# Altium PCB SSRoof.PcbDoc
Units mm, origin at the board's own origin, x right, y up, seen from the top; angles counter-clockwise.
Board outline 100 x 115 mm, 2 copper layers (Top Layer, Bottom Layer); 93 components, 75 nets, 327 pads, 36 vias.
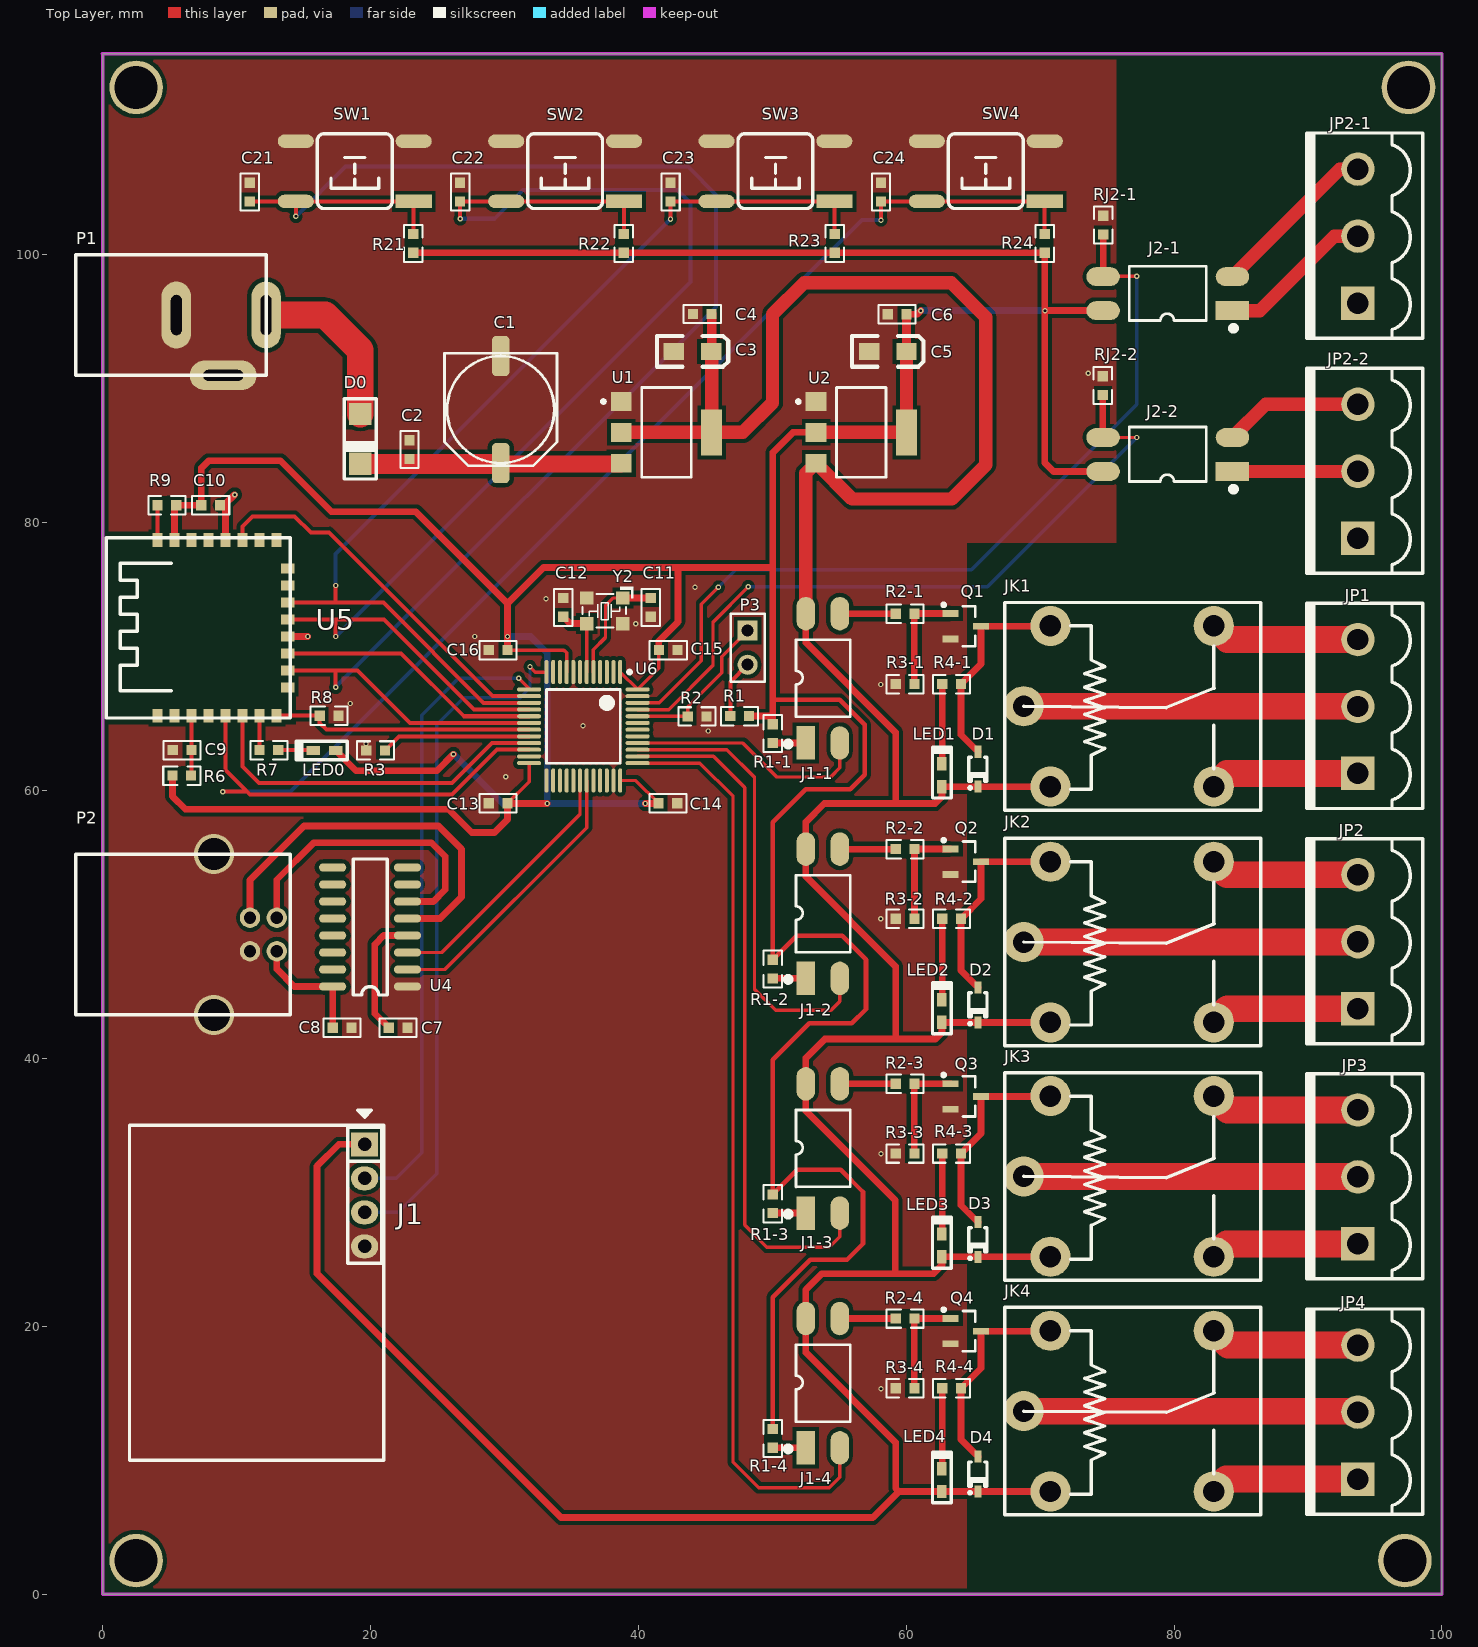
[diagram p0: Top Layer view]
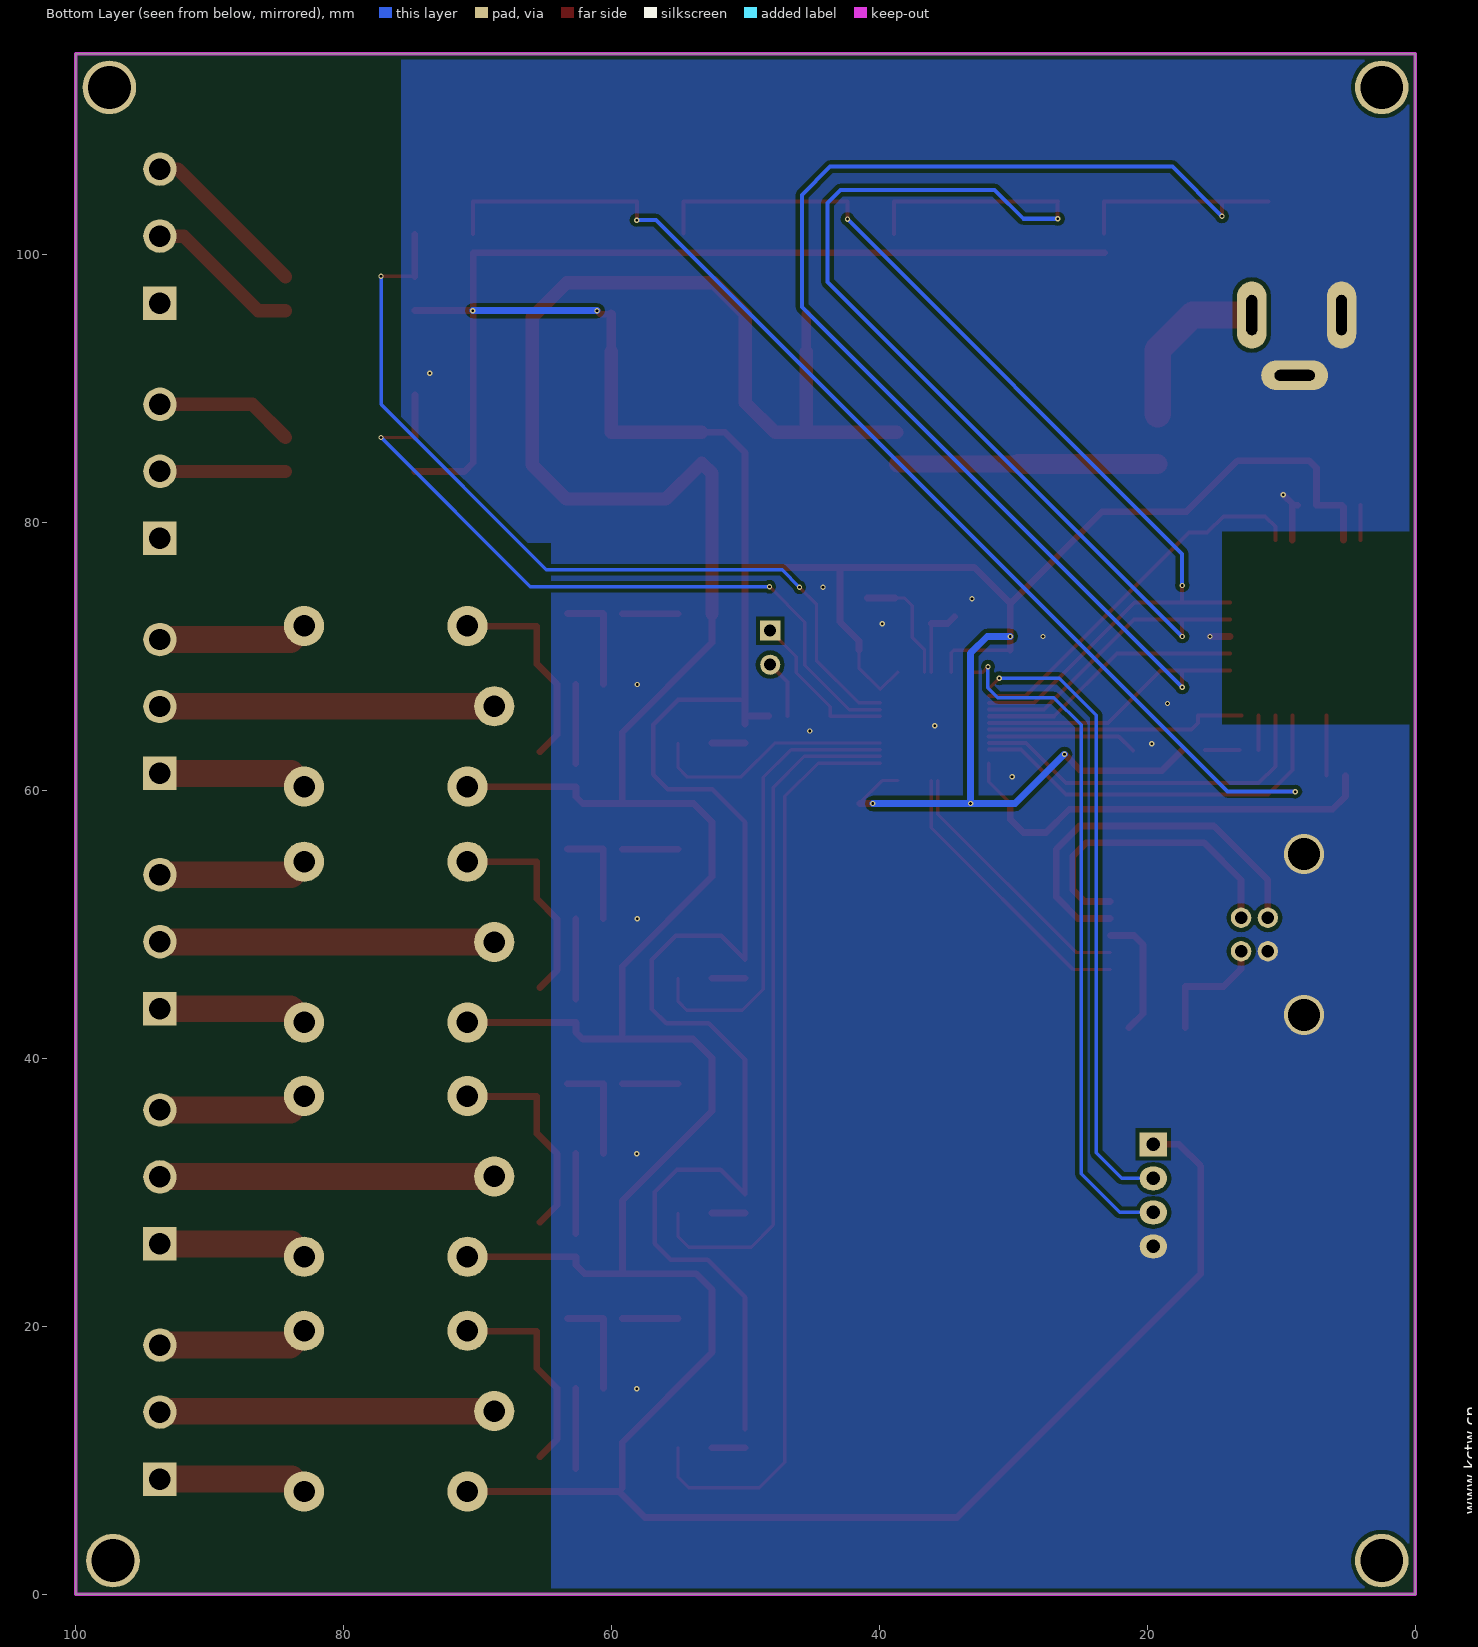
[diagram p1: Bottom Layer view, seen from below]

## Layer stack, top to bottom
Top Solder: solder mask 0.0102, Solder Resist, Dk 3.5
Top Layer: signal copper 0.0356
Dielectric1: dielectric 0.32, FR-4, Dk 4.8
Bottom Layer: signal copper 0.0356
Bottom Solder: solder mask 0.0102, Solder Resist, Dk 3.5

## Board outline
0,0 0,115 100,115 100,0

## Design rules (kind name [scope] priority, off if disabled: settings)
Clearance Clearance_pyog [InPolygon] p1: gap=0.305
Clearance Clearance_mcu [InComponentClass('U7')] p2: gap=0.178
Clearance [All] p3: gap=0.178
HoleSize [All] p1: absolutevalues=TRUE maxlimit=25.4 minlimit=0.025 maxpercent=80.000 minpercent=20.000
MinimumSolderMaskSliver [All] p1: minsoldermaskwidth=0
PolygonConnect GNDVIA [IsVia] p1: connectstyle=Direct reliefconductorwidth=0.254 reliefentries=4 polygonreliefangle="90 Angle" airgapwidth=0.254
PolygonConnect [All] p2: connectstyle=Direct reliefconductorwidth=0.254 reliefentries=4 polygonreliefangle="90 Angle" airgapwidth=0.254
RoutingVias [All] p1: holewidth=0.711 width=1.27 viastyle="Through Hole" minholewidth=0.3 minwidth=0.45 maxholewidth=0.711 maxwidth=1.27
SilkToSilkClearance [All] p1: silktosilkclearance=0
SilkToSolderMaskClearance [IsPad] p1: minsilkscreentomaskgap=0 clearancetoexposedcopper=TRUE
SolderMaskExpansion [All] p1: expansion=0.102
Width [All] p1: maxlimit=3 minlimit=0.254 preferedwidth=0.254
25 further rules are at their usual default settings.

## Components (designator, comment, footprint, x,y, rotation, side; value= is the part's Value field where it differs from the comment)
C1 "470uF" CAP8 29.718,88.443 r90 top
C2 "100nF" 0603C 22.911,86.157 r270 top
C3 "10uF" 3216 45.441,92.786 r0 top
C4 "100nF" 0603C 44.069,95.58 r0 top
C5 "10uF" 3216 60.02,92.786 r0 top
C6 "100nF" 0603C 58.623,95.555 r0 top
C7 "100nF" 0603C 22.758,42.291 r180 top
C8 "100nF" 0603C 18.567,42.291 r180 top
C9 "100nF" 0603C 6.629,63.017 r180 top
C10 "100nF" 0603C 7.366,81.305 r0 top
C11 "20pF" 0603C 40.919,74.371 r270 top
C12 "20pF" 0603C 34.392,72.974 r90 top
C13 "100nF" 0603C 28.829,59.055 r0 top
C14 "100nF" 0603C 42.901,59.055 r180 top
C15 "100nF" 0603C 42.926,70.485 r180 top
C16 "100nF" 0603C 28.829,70.485 r0 top
C21 "1nF" 0603C 10.973,103.988 r90 top
C22 "1nF" 0603C 26.687,103.988 r90 top
C23 "1nF" 0603C 42.401,103.988 r90 top
C24 "1nF" 0603C 58.115,103.988 r90 top
D0 "M7" DO-214AC 19.228,86.258 r270 top
D1 "1N4148" SOD-323 65.354,61.595 r270 top
D2 "1N4148" SOD-323 65.354,43.993 r270 top
D3 "1N4148" SOD-323 65.354,26.467 r270 top
D4 "1N4148" SOD-323 65.354,8.966 r270 top
J1 "YS-RF34T" PIN-4-2.54-1.0 19.558,29.769 r270 top
J1-1 "TLP521-1" SOP4-W2.54_M 53.772,68.377 r90 top
J1-2 "TLP521-1" SOP4-W2.54_M 53.772,50.8 r90 top
J1-3 "TLP521-1" SOP4-W2.54_M 53.772,33.274 r90 top
J1-4 "TLP521-1" SOP4-W2.54_M 53.772,15.748 r90 top
J2-1 "TLP521-1" SOP4-W2.54_M 79.527,97.104 r180 top
J2-2 "TLP521-1" SOP4-W2.54_M 79.527,85.09 r180 top
JK1 "SRD-05VDC-SL-C" SRD-C_B 70.764,72.288 r0 top
JK2 "SRD-05VDC-SL-C" SRD-C_B 70.764,54.686 r0 top
JK3 "SRD-05VDC-SL-C" SRD-C_B 70.764,37.186 r0 top
JK4 "SRD-05VDC-SL-C" SRD-C_B 70.764,19.66 r0 top
JP1 "HDR-1X3" KF2EDGK5.0-LI-3P 93.726,66.274 r90 top
JP2 "HDR-1X3" KF2EDGK5.0-LI-3P 93.726,48.712 r90 top
JP2-1 "HDR-1X3" KF2EDGK5.0-LI-3P 93.726,101.397 r90 top
JP2-2 "HDR-1X3" KF2EDGK5.0-LI-3P 93.726,83.835 r90 top (schematic designator JP2-24)
JP3 "HDR-1X3" KF2EDGK5.0-LI-3P 93.726,31.151 r90 top
JP4 "HDR-1X3" KF2EDGK5.0-LI-3P 93.726,13.589 r90 top
LED0 "LED" LED-0603 16.561,62.992 r180 top
LED1 "LED" LED-0603 62.662,61.138 r90 top
LED2 "LED" LED-0603 62.662,43.536 r90 top
LED3 "LED" LED-0603 62.662,26.035 r90 top
LED4 "LED" LED-0603 62.662,8.509 r90 top
P1 "SOURCE" DC_5.5MM -2,100 r0 top
P2 "USB-B" USB-B 13,48 r0 top
P3 "BOOT0" HDR1X2 48.158,71.933 r270 top
Q1 "SS8050" SOT23-3N 64.44,72.263 r270 top
Q2 "SS8050" SOT23-3N 64.44,54.686 r270 top
Q3 "SS8050" SOT23-3N 64.44,37.16 r270 top
Q4 "SS8050" SOT23-3N 64.44,19.634 r270 top
R1 "4.7K" 0603R 46.863,65.557 r0 top
R1-1 "2K" 0603R 50.038,63.551 r90 top
R1-2 "2K" 0603R 50.038,45.974 r90 top
R1-3 "2K" 0603R 50.038,28.448 r90 top
R1-4 "2K" 0603R 50.038,10.922 r90 top
R2 "10K" 0603R 43.688,65.532 r0 top
R2-1 "1K" 0603R 60.604,73.203 r180 top
R2-2 "1K" 0603R 60.604,55.626 r180 top
R2-3 "1K" 0603R 60.604,38.1 r180 top
R2-4 "1K" 0603R 60.604,20.574 r180 top
R3 "10K" 0603R 19.685,62.992 r0 top
R3-1 "4.7K" 0603R 59.207,67.945 r0 top
R3-2 "4.7K" 0603R 59.207,50.419 r0 top
R3-3 "4.7K" 0603R 59.207,32.893 r0 top
R3-4 "4.7K" 0603R 59.207,15.367 r0 top
R4-1 "5K" 0603R 62.687,67.945 r0 top
R4-2 "5K" 0603R 62.687,50.419 r0 top
R4-3 "5K" 0603R 62.687,32.893 r0 top
R4-4 "5K" 0603R 62.687,15.367 r0 top
R6 "10K" 0603R 6.604,61.112 r180 top
R7 "1K" 0603R 11.709,63.017 r0 top
R8 "4.7K" 0603R 17.602,65.583 r180 top
R9 "10K" 0603R 4.089,81.305 r0 top
R21 "10K" 0603R 23.19,101.549 r270 top
R22 "10K" 0603R 38.913,101.549 r270 top
R23 "10K" 0603R 54.661,101.549 r270 top
R24 "10K" 0603R 70.333,101.549 r270 top
RJ2-1 "1K" 0603R 74.701,102.921 r270 top
RJ2-2 "1K" 0603R 74.676,90.932 r270 top
SW1 "6x6x5" "TSW SMD-6*6*6" 18.821,106.248 r180 top
SW2 "6x6x5" "TSW SMD-6*6*6" 34.527,106.248 r180 top
SW3 "6x6x5" "TSW SMD-6*6*6" 50.233,106.248 r180 top
SW4 "6x6x5" "TSW SMD-6*6*6" 65.938,106.248 r180 top
U1 "AMS1117-5.0" SOT223 42.088,86.741 r270 top
U2 "AMS1117-3.3" SOT223 56.642,86.741 r270 top
U4 "CH340C" SO-16 22.758,45.364 r180 top
U5 "PSF-B04" PSF-B04 14,78.873 r180 top
U6 "STM32F103C8T6" LQFP48_N 35.89,64.795 r180 top
Y2 "8MHz  无源" X3225 38.811,74.397 r180 top

## Footprints (in the part's own frame and the unit in brackets; to place one, negate y for a bottom-side part, rotate by r counter-clockwise, add the part's x,y. Pads: shape width x height; smd on the part's side, far side on the other; paste and mask are expansions set on the pad)
0603C [mil]
  rect 30x30 smd: 1(0,0) 2(55,0)
  silkscreen extent -27,-27 82,27, body extent -4,-16 59,16, height 12
0603R [mil]
  rect 30x30 smd: 1(0,0) 2(55,0)
  silkscreen extent -27,-27 82,27, body extent -4,-18 58,16, height 18
3216 [mil]
  rect 60x50 smd: 1(0,0) 2(-110,0)
  silkscreen extent -160,-45 50,45, body extent -151,-35 38,36, height 73
CAP8 [mm] "直径8mm（蒜米工坊）"
  rrect50% 3x1.3 smd: 1(-4,0) 2(4,0)
  silkscreen extent -4.2,-4.2 4.2,4.2, body extent -4.52,-4.22 4.48,4.08, height 10.5
DC_5.5MM [mm]
  oval 2.2x5 hole 0.8 slot 3 at 90 deg: 1(14.2,-4.5) 2(7.5,-4.5)
  oval 5x2.2 hole 0.8 slot 3 at 0 deg: 3(11,-9)
  silkscreen extent 0,-9 14.2,0, body extent -0.1,-8.88 14.1,-0.12, height 10.82
DO-214AC [mm]
  rect 1.655x1.67 smd: 1(1.865,0) 2(-1.865,0)
  silkscreen extent -3,-1.2 3,1.2, body extent -2.74,-1.4 2.74,1.4, height 2.3
HDR1X2 [mm] "Connector; Header; 2 Position"
  rect 1.5x1.5 hole 0.9: 1(0,0)
  round 1.5 hole 0.9: 2(2.54,0)
  silkscreen extent -1.27,-1.27 3.81,1.27, body extent -1.27,-1.27 3.81,1.27, height 7.58
KF2EDGK5.0-LI-3P [mm] "立插端子"
  rect 2.5x2.5 hole 1.6: 1(-5,0)
  round 2.5 hole 1.6: 2(0,0) 3(5,0)
  silkscreen extent -7.62,-4.83 7.7,3.81, body extent -7.54,-4.75 7.54,3.75, height 11.25
LED-0603 [mm] "LED, SMD, 0603"
  rect 1x0.7 smd: 1(-0.85,0) 2(0.85,0)
  silkscreen extent -1.7,-0.7 2.1,0.7, body extent -1.03,-0.46 1.03,0.45, height 0.85
LQFP48_N [mm]
  oval 0.3x1.8 smd: 1(-2.75,-4.05) 2(-2.25,-4.05) 3(-1.75,-4.05) 4(-1.25,-4.05) 5(-0.75,-4.05) 6(-0.25,-4.05) 7(0.25,-4.05) 8(0.75,-4.05) 9(1.25,-4.05) 10(1.75,-4.05) 11(2.25,-4.05) 12(2.75,-4.05) 25(2.75,4.05) 26(2.25,4.05) 27(1.75,4.05) 28(1.25,4.05) 29(0.75,4.05) 30(0.25,4.05) 31(-0.25,4.05) 32(-0.75,4.05) 33(-1.25,4.05) 34(-1.75,4.05) 35(-2.25,4.05) 36(-2.75,4.05)
  oval 1.8x0.3 smd: 13(4.05,-2.75) 14(4.05,-2.25) 15(4.05,-1.75) 16(4.05,-1.25) 17(4.05,-0.75) 18(4.05,-0.25) 19(4.05,0.25) 20(4.05,0.75) 21(4.05,1.25) 22(4.05,1.75) 23(4.05,2.25) 24(4.05,2.75) 37(-4.05,2.75) 38(-4.05,2.25) 39(-4.05,1.75) 40(-4.05,1.25) 41(-4.05,0.75) 42(-4.05,0.25) 43(-4.05,-0.25) 44(-4.05,-0.75) 45(-4.05,-1.25) 46(-4.05,-1.75) 47(-4.05,-2.25) 48(-4.05,-2.75)
  silkscreen extent -3.58,-4.17 2.75,2.75, body extent -4.5,-4.5 4.5,4.5, height 1.5
PIN-4-2.54-1.0 [mil] "Pin Header"
  rect 70x80 hole 39.37: 1(-150,0)
  oval 70x80 hole 39.37: 2(-50,0) 3(50,0) 4(150,0)
  silkscreen extent -250,-50 200,50, body extent -200,-50 200,50, height 398
PSF-B04 [mm] "物联网开关芯片"
  rect 0.76x1.02 smd: 1(9.91,13.29) 2(8.64,13.29) 3(7.37,13.29) 4(6.1,13.29) 5(4.83,13.29) 6(3.56,13.29) 7(2.29,13.29) 8(1.02,13.29) 17(1.02,0.17) 18(2.29,0.17) 19(3.56,0.17) 20(4.83,0.17) 21(6.1,0.17) 22(7.37,0.17) 23(8.64,0.17) 24(9.91,0.17)
  rect 1.02x0.76 smd: 9(0.17,11.18) 10(0.17,9.91) 11(0.17,8.64) 12(0.17,7.37) 13(0.17,6.1) 14(0.17,4.83) 15(0.17,3.56) 16(0.17,2.29)
  silkscreen extent 0,0 13.72,13.46
SO-16 [mil]
  oval 80x24 smd: 1(0,0) 2(0,-50) 3(0,-100) 4(0,-150) 5(0,-200) 6(0,-250) 7(0,-300) 8(0,-350) 9(220,-350) 10(220,-300) 11(220,-250) 12(220,-200) 13(220,-150) 14(220,-100) 15(220,-50) 16(220,0)
  silkscreen extent 60,-375 160,25, body extent -12,-377 226,29, height 77
SOD-323 [mm] "SOD-323"
  rect 0.9x0.5 smd: 1(-1.3,0) 2(1.3,0)
  silkscreen extent -0.9,-0.67 1.49,0.67, body extent -1.35,-0.62 1.35,0.63, height 1.1
SOP4-W2.54_M [mm] "6.5*4.58*3.5mm（长宽高）"
  rect 2.5x1.4 smd: 1(-4.826,1.27)
  oval 2.5x1.4 smd: 2(-4.826,-1.27) 3(4.826,-1.27) 4(4.826,1.27)
  silkscreen extent -5.06,-2.05 2.87,2.74, body extent -5,-2.29 5,2.29, height 3.83
SOT23-3N [mm] "3x1.3x1mm(长宽高)"
  rect 0.5x1.2 smd: 1(-0.95,-1.143) 2(0.95,-1.143) 3(0,1.143)
  silkscreen extent -1.72,-1.78 1.5,0.7, body extent -1.5,-1.2 1.5,1.2, height 1.05
SOT223 [mm] "SOT-223/SC-73; 4 Leads; Body 6.7 x 7.3 mm, inc. leads (LxW max)"
  rect 1.4x1.55 smd: 1(-2.3,-3.375) 2(0,-3.375) 3(2.3,-3.375)
  rect 3.45x1.55 smd: 4(0,3.375)
  silkscreen extent -3.35,-4.82 3.35,1.85, body extent -3.25,-3.53 3.25,3.43, height 1.7
SRD-C_B [mm] "单刀双投"
  round 3 hole 1.6: 1(0,0) 2(0,-12) 3(-2,-6) 4(12.2,0) 5(12.2,-12)
  silkscreen extent -3.4,-13.75 15.7,1.75, body extent -3.4,-13.75 15.7,1.75, height 15.6
"TSW SMD-6*6*6" [mm] "6*6*6mm"
  rect 2.7x1 smd: 1(-4.4,2.261)
  oval 2.7x1 smd: 2(-4.4,-2.239) 3(4.4,-2.239) 4(4.4,2.261)
  silkscreen extent -2.79,-2.79 2.79,2.79, body extent -4.5,-3 4.5,3, height 5.95
USB-B [mm]
  round 1.524 hole 0.92: 1(0,0) 2(0,2.5) 3(-2,2.5) 4(-2,0)
  round 3 hole 2.4: 5(-4.7,7.25) 6(-4.7,-4.75)
  silkscreen extent -15,-4.75 1,7.25
X3225 [mm]
  rect 1x1 smd: 1(-0.025,0.025) 2(2.667,0.025) 3(2.667,1.93) 4(-0.025,1.93)
  silkscreen extent -0.81,-0.84 3,2.21, body extent -0.23,-0.29 2.97,2.21, height 0.72

## Part data
C1: library part C470UF016S, "470UF      16V      CD10X10D5"
C2 C4 C6 C8 C9 C10 C11 C12 C13 C14 C15 C16 C21 C22 C23 C24: library part Cap, "Capacitor"
C3 C5: library part CAP2
C7: library part C
D0: library part Diode, "High Conductance Fast Diode"
D1 D2 D3 D4: "高速开关二极管"
J1: library part HDR1x4, "Connector"
J1-1 J1-2 J1-3 J1-4 J2-1 J2-2: "1路开关光耦"
JK1 JK2 JK3 JK4: "5V一组转换"
JP1 JP2 JP2-1 JP2-2 JP3 JP4: library part "Header 3", "3P接插件"
P3: library part MHDR1X2, "Header, 2-Pin"
Q1 Q2 Q3 Q4: library part 8050-SMD, "高频放大-NPN型"
R1 R3 R3-1 R3-2 R3-3 R3-4 R8: library part R
R1-1 R1-2 R1-3 R1-4 R2 R2-1 R2-2 R2-3 R2-4 R4-1 R4-2 R4-3 R4-4 R6 R7 R9 R21 R22 R23 R24 RJ2-1 RJ2-2: library part RES, "Resistor"
SW1 SW2 SW3 SW4: library part "TSW SMD-6x6", "贴片6x6轻触开关"
U1 U2: library part AMS1117
U4: library part CH340G, "USB2UART"
U6: "STM32 ARM-based 32-bit MCU Performance Line with 64 kB Flash, 20 kB Internal RAM, -40 to +85癈 Temperature, 48-Pin LQFP, Tray"
Y2: library part XTAL_1, "Crystal Oscillator"

## Free pads (board coordinates)
  round 4 hole 3.2: 0(2.5,2.5) 1(97.231,2.5) 2(97.5,112.5) 3(2.5,112.5)

## Via types
v1: diameter 0.4, hole 0.2, Top Layer to Bottom Layer, 36 vias

## Nets (pads, with @x,y where several pads share a name; then routed paths per layer and width w, separated by ;. In a path a pad name is that pad's centre, name@x,y a point inside that pad or via, vN(x,y) a via of type N, cw(c..) or ccw(c..) an arc to the next point about the centre after c; other vN are vias at no path point)
BOOT0: P3.1 R2.1 U6.44 | length 12
  Top Layer w0.254: U6.44 R2.1@43.675,65.545 ; R2.1 43.688,66.243 46.228,68.783 46.228,70.002 P3.1
BOOT1: R3.2 U6.20 | length 11.2
  Top Layer w0.305: R3.2 22.135,64.045 U6.20
D3V3: C5.1 C6.2 C10.1 C13.2 C14.2 C15.2 C16.2 J2-1.4 J2-2.4 LED0.1 R1-1.2 R1-2.2 R1-3.2 R1-4.2 R1.2 R6.2 R9.2 R21.2 R22.2 R23.2 R24.2 U2.2 U2.4 U5.23 U6.1 U6.9 U6.24 U6.36 U6.48 | length 372.9
  Top Layer w0.254: C13.2 31.84,60.669 U6.24 ; C16.2 34.442,70.485 34.64,70.287 U6.9 ; U6.36 39.813,60.745 C14.2 ; U6.1 U6.48 41.529,69.134 C15.2
  Top Layer w0.35: R1-4.2 50.038,22.174 52.832,24.968 55.575,24.968 56.769,26.162 56.769,30.023 55.118,31.674 51.867,31.674 R1-3.2 50.038,39.903 52.756,42.621 55.931,42.621 56.998,43.688 56.998,47.371 55.22,49.149 51.816,49.149 R1-2.2 50.038,57.633 52.502,60.096 55.804,60.096 56.896,61.189 56.896,64.922 55.042,66.777 50.038,66.777
  Top Layer w0.5: R6.2 5.207,59.563 6.172,58.598 25.832,58.598 27.559,56.871 29.261,56.871 30.226,57.836 C13.2 ; C10.1 7.366,84.074 7.925,84.633 13.259,84.633 17.069,80.823 23.368,80.823 30.226,73.965 ; LED0.1 18.935,61.468 24.943,61.468 v1(26.187,62.713) ; R21.2 R22.2 R23.2 R24.2 70.333,84.48 70.993,83.82 J2-2.4 ; C16.2 v1(30.226,71.501) 30.226,73.965 ; C13.2@30.251,59.03 v1(33.198,59.03) ; v1(40.513,59.03) C14.2@41.478,59.03 ; C15.2 41.529,71.171 42.951,72.593 42.951,76.657 ; R1.2 50.013,65.557 ; R1-1.2 50.038,76.657 ; U2.2 51.537,86.741 50.038,85.242 50.038,76.657 ; C6.2 60.808,95.555 v1(61.087,95.834) ; v1(70.358,95.834) J2-1.4 ; 30.226,73.965 32.918,76.657 50.038,76.657
  Top Layer w0.508: U5.23 5.36,81.179 R9.2 C10.1
  Top Layer w0.7: C5.1 C6.2
  Top Layer w1: U2.2 U2.4 C5.1@60.017,92.783
  Bottom Layer w0.5: v1(26.187,62.713) 29.87,59.03 v1(33.198,59.03) ; v1(30.226,71.501) 31.953,71.501 33.198,70.256 v1(33.198,59.03) ; v1(40.513,59.03) v1(33.198,59.03) ; v1(61.087,95.834) v1(70.358,95.834)
D5V0: C3.1 C4.2 D1.2 D2.2 D3.2 D4.2 J1-1.4 J1-2.4 J1-3.4 J1-4.4 J1.1 JK1.2 JK2.2 JK3.2 JK4.2 LED1.1 LED2.1 LED3.1 LED4.1 U1.2 U1.4 U2.3 | length 290.4
  Top Layer w0.5: J1.1 17.628,33.579 16.002,31.953 16.002,23.927 34.214,5.715 57.504,5.715 59.448,7.659 ; J1-1.4 52.502,71.044 59.207,64.338 59.207,59.03 ; JK4.2@70.764,7.659 LED4.1 59.448,7.659 ; JK3.2@70.764,25.185 LED3.1 62.662,24.562 62.027,23.927 59.182,23.927 ; JK2.2@70.764,42.686 LED2.1 62.662,41.935 62.179,41.453 59.207,41.453 ; JK1.2@70.764,60.288 LED1.1 62.662,59.538 62.154,59.03 59.207,59.03 ; 59.182,23.927 53.696,23.927 52.502,22.733 J1-4.4 52.502,18.034 59.207,11.328 59.207,7.899 59.448,7.659 ; 59.182,23.927 59.182,29.388 52.502,36.068 J1-3.4 52.502,40.03 53.924,41.453 59.207,41.453 ; 59.207,41.453 59.207,46.863 52.502,53.569 J1-2.4 52.502,57.658 53.873,59.03 59.207,59.03
  Top Layer w0.7: C3.1@45.466,92.812 C4.2
  Top Layer w1: U1.2 U1.4 ; C3.1@45.463,92.764 U1.4 ; J1-1.4 52.502,83.676 U2.3 55.945,81.763 63.398,81.763 65.938,84.303 65.938,95.326 63.348,97.917 52.375,97.917 50.013,95.555 50.013,88.951 47.803,86.741 U1.4
D12V0: C1.1 C2.2 D0.1 U1.3 | length 19.4
  Top Layer w1.27: C1.1@29.669,84.393 U1.3@38.665,84.393
  Top Layer w1.5: D0.1 C1.1@29.669,84.393
EGND: J2-1.2 JP2-1.3 | length 12.7
  Top Layer w1: J2-1.2 92.376,106.397 JP2-1.3
EGND2: J2-2.2 JP2-2.3 | length 10.4
  Top Layer w1: J2-2.2 86.829,88.835 JP2-2.3
ESIGN: J2-1.1 JP2-1.2 | length 11.7
  Top Layer w1: J2-1.1 86.385,95.834 91.948,101.397 JP2-1.2
ESIGN2: J2-2.1 JP2-2.2 | length 9.4
  Top Layer w1: J2-2.1 JP2-2.2@93.711,83.82
EVCC: JP2-1.1
EVCC2: JP2-2.1
GND: C1.2 C2.1 C3.2 C4.1 C5.2 C6.1 C7.1 C8.1 C9.2 C10.2 C11.2 C12.2 C13.1 C14.1 C15.1 C16.1 C21.2 C22.2 C23.2 C24.2 J1.4 P1.2 P1.3 P2.4 P2.5 P2.6 Q1.2 Q2.2 Q3.2 Q4.2 R2.2 R3-1.1 R3-2.1 R3-3.1 R3-4.1 R3.1 R8.1 RJ2-1.1 RJ2-2.1 SW1.2 SW1.3 SW2.2 SW2.3 SW3.2 SW3.3 SW4.2 SW4.3 U1.1 U2.1 U4.1 U5.12 U5.20 U6.8 U6.23 U6.35 U6.47 Y2.2 Y2.4 | length 6.5
  Top Layer w0.5: C10.2 9.068,81.305 v1(9.855,82.093) ; U5.20 9.17,81.408 v1@9.83,82.067 ; U5.12 v1(15.319,71.503)
  other v1: 58.115,15.342 58.115,32.868 58.09,50.419 30.099,61.036 19.66,63.5 45.212,64.44 35.865,64.846 18.491,66.497 58.09,67.92 27.788,71.501 39.802,72.441 33.096,74.32 44.221,75.184 73.584,91.161
LIMIT1: J2-1.3 RJ2-1.2 U6.46 | length 64.2
  Top Layer w0.254: U6.46 41.552,66.545 44.704,69.698 44.704,73.914 v1(45.974,75.184) ; J2-1.3@74.727,98.4 v1(77.216,98.4)
  Top Layer w0.5: J2-1.3 RJ2-1.2
  Bottom Layer w0.254: v1(45.974,75.184) 47.269,76.479 64.872,76.479 77.216,88.824 v1(77.216,98.4)
LIMIT2: J2-2.3 RJ2-2.2 U6.45 | length 53.2
  Top Layer w0.254: U6.45 42.271,66.045 45.568,69.342 45.568,72.568 v1(48.209,75.209) ; J2-2.3 v1(77.216,86.36)
  Top Layer w0.5: J2-2.3@74.676,86.385 RJ2-2.2
  Bottom Layer w0.254: v1(48.209,75.209) 66.065,75.209 v1(77.216,86.36)
NetC7_2: C7.2 U4.4 | length 9.4
  Top Layer w0.508: C7.2 20.32,43.332 20.32,48.514 20.98,49.174 U4.4
NetC9_1: C9.1 R6.1 U5.3 | length 4.4
  Top Layer w0.3: R6.1@6.63,61.138 U5.3
NetD0_1: D0.2 P1.1 | length 12.9
  Top Layer w2: P1.1 16.616,95.5 19.228,92.888 D0.2
NetD1_1: D1.1 JK1.1 Q1.3 R4-1.2 | length 15.7
  Top Layer w0.5: D1.1 64.084,64.165 R4-1.2 65.583,69.444 Q1.3 JK1.1@70.739,72.263
NetD2_1: D2.1 JK2.1 Q2.3 R4-2.2 | length 15.7
  Top Layer w0.5: D2.1 64.084,46.563 R4-2.2 65.583,51.918 Q2.3 JK2.1
NetD3_1: D3.1 JK3.1 Q3.3 R4-3.2 | length 15.7
  Top Layer w0.5: D3.1 64.084,29.037 R4-3.2 65.583,34.392 Q3.3 JK3.1@70.739,37.16
NetD4_1: D4.1 JK4.1 Q4.3 R4-4.2 | length 15.7
  Top Layer w0.5: D4.1 64.084,11.536 R4-4.2 65.583,16.866 Q4.3 JK4.1@70.739,19.634
NetJ1-1_1: J1-1.1 R1-1.1 | length 2.5
  Top Layer w0.5: R1-1.1 J1-1.1
NetJ1-1_3: J1-1.3 R2-1.2 | length 4.2
  Top Layer w0.5: J1-1.3 R2-1.2
NetJ1-2_1: J1-2.1 R1-2.1 | length 2.5
  Top Layer w0.5: R1-2.1 J1-2.1
NetJ1-2_3: J1-2.3 R2-2.2 | length 4.2
  Top Layer w0.5: J1-2.3 R2-2.2
NetJ1-3_1: J1-3.1 R1-3.1 | length 2.5
  Top Layer w0.5: R1-3.1 J1-3.1
NetJ1-3_3: J1-3.3 R2-3.2 | length 4.2
  Top Layer w0.5: J1-3.3 R2-3.2
NetJ1-4_1: J1-4.1 R1-4.1 | length 2.5
  Top Layer w0.5: R1-4.1 J1-4.1
NetJ1-4_3: J1-4.3 R2-4.2 | length 4.2
  Top Layer w0.5: J1-4.3 R2-4.2
NetJK1_3: JK1.3 JP1.2 | length 24.9
  Top Layer w2: JK1.3 JP1.2@93.711,66.288
NetJK1_4: JK1.4 JP1.3 | length 11.2
  Top Layer w2: JK1.4 83.979,71.274 JP1.3
NetJK1_5: JK1.5 JP1.1 | length 11.2
  Top Layer w2: JK1.5 83.95,61.274 JP1.1
NetJK2_3: JK2.3 JP2.2 | length 24.9
  Top Layer w2: JK2.3 JP2.2@93.7,48.686
NetJK2_4: JK2.4 JP2.3 | length 11.2
  Top Layer w2: JK2.4 83.938,53.712 JP2.3
NetJK2_5: JK2.5 JP2.1 | length 11.2
  Top Layer w2: JK2.5 83.99,43.712 JP2.1
NetJK3_3: JK3.3 JP3.2 | length 24.9
  Top Layer w2: JK3.3 JP3.2@93.691,31.186
NetJK3_4: JK3.4 JP3.3 | length 11.2
  Top Layer w2: JK3.4 83.999,36.151 JP3.3
NetJK3_5: JK3.5 JP3.1 | length 11.2
  Top Layer w2: JK3.5 83.929,26.151 JP3.1
NetJK4_3: JK4.3 JP4.2 | length 24.9
  Top Layer w2: JK4.3 JP4.2@93.655,13.66
NetJK4_4: JK4.4 JP4.3 | length 11.2
  Top Layer w2: JK4.4 84.035,18.589 JP4.3
NetJK4_5: JK4.5 JP4.1 | length 11.1
  Top Layer w2: JK4.5 83.894,8.589 JP4.1
NetLED0_2: LED0.2 R7.2 | length 2.6
  Top Layer w0.3: R7.2 LED0.2@15.685,63.017
NetLED1_2: LED1.2 R4-1.1 | length 5.9
  Top Layer w0.5: LED1.2@62.687,62.013 R4-1.1
NetLED2_2: LED2.2 R4-2.1 | length 6
  Top Layer w0.5: LED2.2@62.687,44.411 R4-2.1
NetLED3_2: LED3.2 R4-3.1 | length 6
  Top Layer w0.5: LED3.2@62.687,26.91 R4-3.1
NetLED4_2: LED4.2 R4-4.1 | length 6
  Top Layer w0.5: LED4.2@62.687,9.384 R4-4.1
NetP2_2: P2.2 U4.6 | length 22.6
  Top Layer w0.5: P2.2 13,53.335 15.773,56.109 24.536,56.109 25.578,55.067 25.578,52.603 24.689,51.714 U4.6
NetP2_3: P2.3 U4.5 | length 29.3
  Top Layer w0.5: P2.3 11,53.316 15.037,57.353 25.07,57.353 26.797,55.626 26.797,52.045 25.197,50.444 U4.5
NetP3_2: P3.2 R1.1 | length 4.4
  Top Layer w0.3: R1.1 46.863,68.097 P3.2
NetQ1_1: Q1.1 R2-1.1 R3-1.2 | length 7.9
  Top Layer w0.5: R3-1.2 R2-1.1 ; R2-1.1@60.615,73.213 Q1.1
NetQ2_1: Q2.1 R2-2.1 R3-2.2 | length 7.9
  Top Layer w0.5: R3-2.2@60.615,50.429 60.615,55.636 Q2.1
NetQ3_1: Q3.1 R2-3.1 R3-3.2 | length 7.9
  Top Layer w0.5: R3-3.2 R2-3.1 ; R2-3.1@60.615,38.11 Q3.1
NetQ4_1: Q4.1 R2-4.1 R3-4.2 | length 7.9
  Top Layer w0.5: R3-4.2 R2-4.1 ; R2-4.1@60.615,20.584 Q4.1
NetR7_1: R7.1 U5.7 | length 2.6
  Top Layer w0.3: R7.1 U5.7
NetR9_1: R9.1 U5.24 | length 2.6
  Top Layer w0.3: U5.24 R9.1
O1: U5.6 U6.21 | length 26.9
  Top Layer w0.3: U5.6 10.44,61.798 11.684,60.554 26.086,60.554 29.078,63.545 U6.21
O2: U5.19 U6.14 | length 28.3
  Top Layer w0.3: U5.19 10.44,79.706 11.201,80.467 14.326,80.467 15.545,79.248 16.891,79.248 29.094,67.045 U6.14
O3: U5.11 U6.17 | length 20
  Top Layer w0.3: U5.11 22.273,70.233 26.961,65.545 U6.17
O4: R8.2 U5.8 U6.19 | length 19.6
  Top Layer w0.3: U5.8 R8.2 16.205,65.049 16.709,64.545 U6.19
OSC_IN: C11.1 U6.5 Y2.1 | length 8.9
  Top Layer w0.254: U6.5 36.64,70.524 37.541,71.425 37.541,73.812 38.1,74.371 Y2.1
  Top Layer w0.5: Y2.1 C11.1
OSC_OUT: C12.1 U6.6 Y2.3 | length 5.6
  Top Layer w0.254: U6.6 Y2.3@36.14,72.462
  Top Layer w0.5: C12.1 34.9,72.466 Y2.3
RELAY1: J1-1.2 U6.40 | length 18.3
  Top Layer w0.254: U6.40 47.808,63.545 50.343,61.011 54.356,61.011 55.042,61.697 J1-1.2
RELAY2: J1-2.2 U6.39 | length 34.4
  Top Layer w0.254: U6.39 46.606,63.045 48.666,60.985 48.666,45.161 50.241,43.586 54.381,43.586 55.042,44.247 J1-2.2
RELAY3: J1-3.2 U6.38 | length 51.5
  Top Layer w0.254: U6.38 45.608,62.545 47.93,60.223 47.93,27.559 49.581,25.908 54.254,25.908 55.042,26.695 J1-3.2
RELAY4: J1-4.2 U6.37 | length 69.1
  Top Layer w0.254: U6.37 44.584,62.045 47.066,59.563 47.066,9.855 48.971,7.95 54.254,7.95 55.042,8.738 J1-4.2
RESET: U6.7
RXD: U4.3 U6.30 | length 19.7
  Top Layer w0.254: U4.3 25.324,47.904 35.64,58.221 U6.30
RXD2: J1.3 U6.12 | length 51.2
  Top Layer w0.254: v1(31.902,69.24) 32.297,68.845 U6.12
  Bottom Layer w0.254: J1.3 22.073,28.499 24.943,31.369 24.943,64.897 26.975,66.929 31.166,66.929 31.902,67.666 v1(31.902,69.24)
S1: C21.1 R21.1 SW1.1 SW1.4 U5.10 U6.18 | length 118.9
  Top Layer w0.3: C21.1 SW1.4 SW1.1 R21.1@23.221,101.58 ; U5.10 17.399,68.963 ; v1(14.427,102.87) SW1.4@14.427,103.982 ; v1(17.399,67.716) 17.399,68.963 ; U6.18 22.94,65.045 19.022,68.963 17.399,68.963
  Bottom Layer w0.3: v1(14.427,102.87) 18.136,106.578 43.688,106.578 45.796,104.47 45.796,96.114 v1(17.399,67.716)
S2: C22.1 R22.1 SW2.1 SW2.4 U5.13 U6.16 | length 99.9
  Top Layer w0.3: U5.13 17.399,72.773 ; v1(17.399,71.501) 17.399,72.773 ; C22.1 SW2.1 38.913,103.973 R22.1 ; v1(26.695,102.692) C22.1@26.695,103.979 ; U6.16 27.731,66.045 21.003,72.773 17.399,72.773
  Bottom Layer w0.3: v1(17.399,71.501) 17.424,71.501 43.891,97.968 43.891,103.861 42.926,104.826 31.394,104.826 29.261,102.692 v1(26.695,102.692)
S3: C23.1 R23.1 SW3.1 SW3.4 U5.14 U6.15 | length 76
  Top Layer w0.3: U5.14 17.399,74.043 ; v1(17.399,75.311) 17.399,74.043 ; U6.15 28.451,66.545 20.953,74.043 17.399,74.043 ; v1(42.393,102.667) C23.1@42.393,103.979 ; C23.1 SW3.1 R23.1@54.633,101.577
  Bottom Layer w0.3: v1(17.399,75.311) 17.399,77.673 v1(42.393,102.667)
S4: C24.1 R24.1 SW4.1 SW4.4 U5.5 U6.22 | length 113.6
  Top Layer w0.3: v1(8.966,59.919) 10.77,59.919 ; U5.5 9.17,61.518 10.77,59.919 ; U6.22 29.441,63.045 26.086,59.69 10.998,59.69 10.77,59.919 ; v1(58.115,102.591) C24.1 SW4.1 70.333,103.982 R24.1
  Bottom Layer w0.3: v1(8.966,59.919) 14.021,59.919 56.693,102.591 v1(58.115,102.591)
TXD: U4.2 U6.31 | length 21.3
  Top Layer w0.254: U4.2 25.552,46.634 36.14,57.222 U6.31
TXD2: J1.2 U6.13 | length 47.3
  Top Layer w0.254: v1(31.064,68.377) 31.84,67.601 U6.13
  Bottom Layer w0.254: J1.2 21.92,31.039 23.825,32.944 23.825,65.634 26.568,68.377 v1(31.064,68.377)
VBUS: C8.2 P2.1 U4.16 | length 9.1
  Top Layer w0.508: P2.1 13,46.665 14.3,45.364 U4.16 C8.2
pads on no net: U4.7 U4.8 U4.9 U4.10 U4.11 U4.12 U4.13 U4.14 U4.15 U5.1 U5.2 U5.4 U5.9 U5.15 U5.16 U5.17 U5.18 U5.21 U5.22 U6.2 U6.3 U6.4 U6.10 U6.11 U6.25 U6.26 U6.27 U6.28 U6.29 U6.32 U6.33 U6.34 U6.41 U6.42 U6.43

## Polygon pours and split planes (outlines as drawn)
GND on Top Layer "Bottom Layer-No Net" (solid, remove dead copper, pour order 12): -0.127,0.203 99.644,0.203 99.847,0 100,0.153 100,115 -0.02,115
GND on Bottom Layer "Bottom Layer-No Net" (solid, remove dead copper, pour order 14): 0,115 100,115 100,0 0,0

## Keep-outs
Keep-Out Layer:
  lines w0.254: -0.02,115 100,115 100,0 0,0 0,115

## Other copper
Top Layer:
  pour cut-out: 0,79.35 14.453,79.35 14.453,64.897 0.051,64.897
  pour cut-out: 64.516,0 64.516,78.486 75.692,78.486 75.692,115 100,115 100,0
Bottom Layer:
  pour cut-out: 0,64.897 0,79.375 14.453,79.375 14.453,64.897
  pour cut-out: 64.643,0 64.516,0.127 64.516,78.486 75.692,78.486 75.692,114.96 100,115 100,0

## Silkscreen, mask and mechanical layers (free items; w line width, h text height)
Top Overlay:
  lines w0.254: 2,10 2,35 21,35 21,10 2,10
Bottom Overlay:
  text "SS Focuser-B3" at -7.163,7.442 h0.89 r270
  text "www.kctw.cn" at -4.547,5.918 h0.89 r270

## Dimensions
0,0 to 100,0 on Top Overlay
100,115 to 100,0 on Top Overlay